# KiCad board FrontEnd_5G.kicad_pcb (continued)
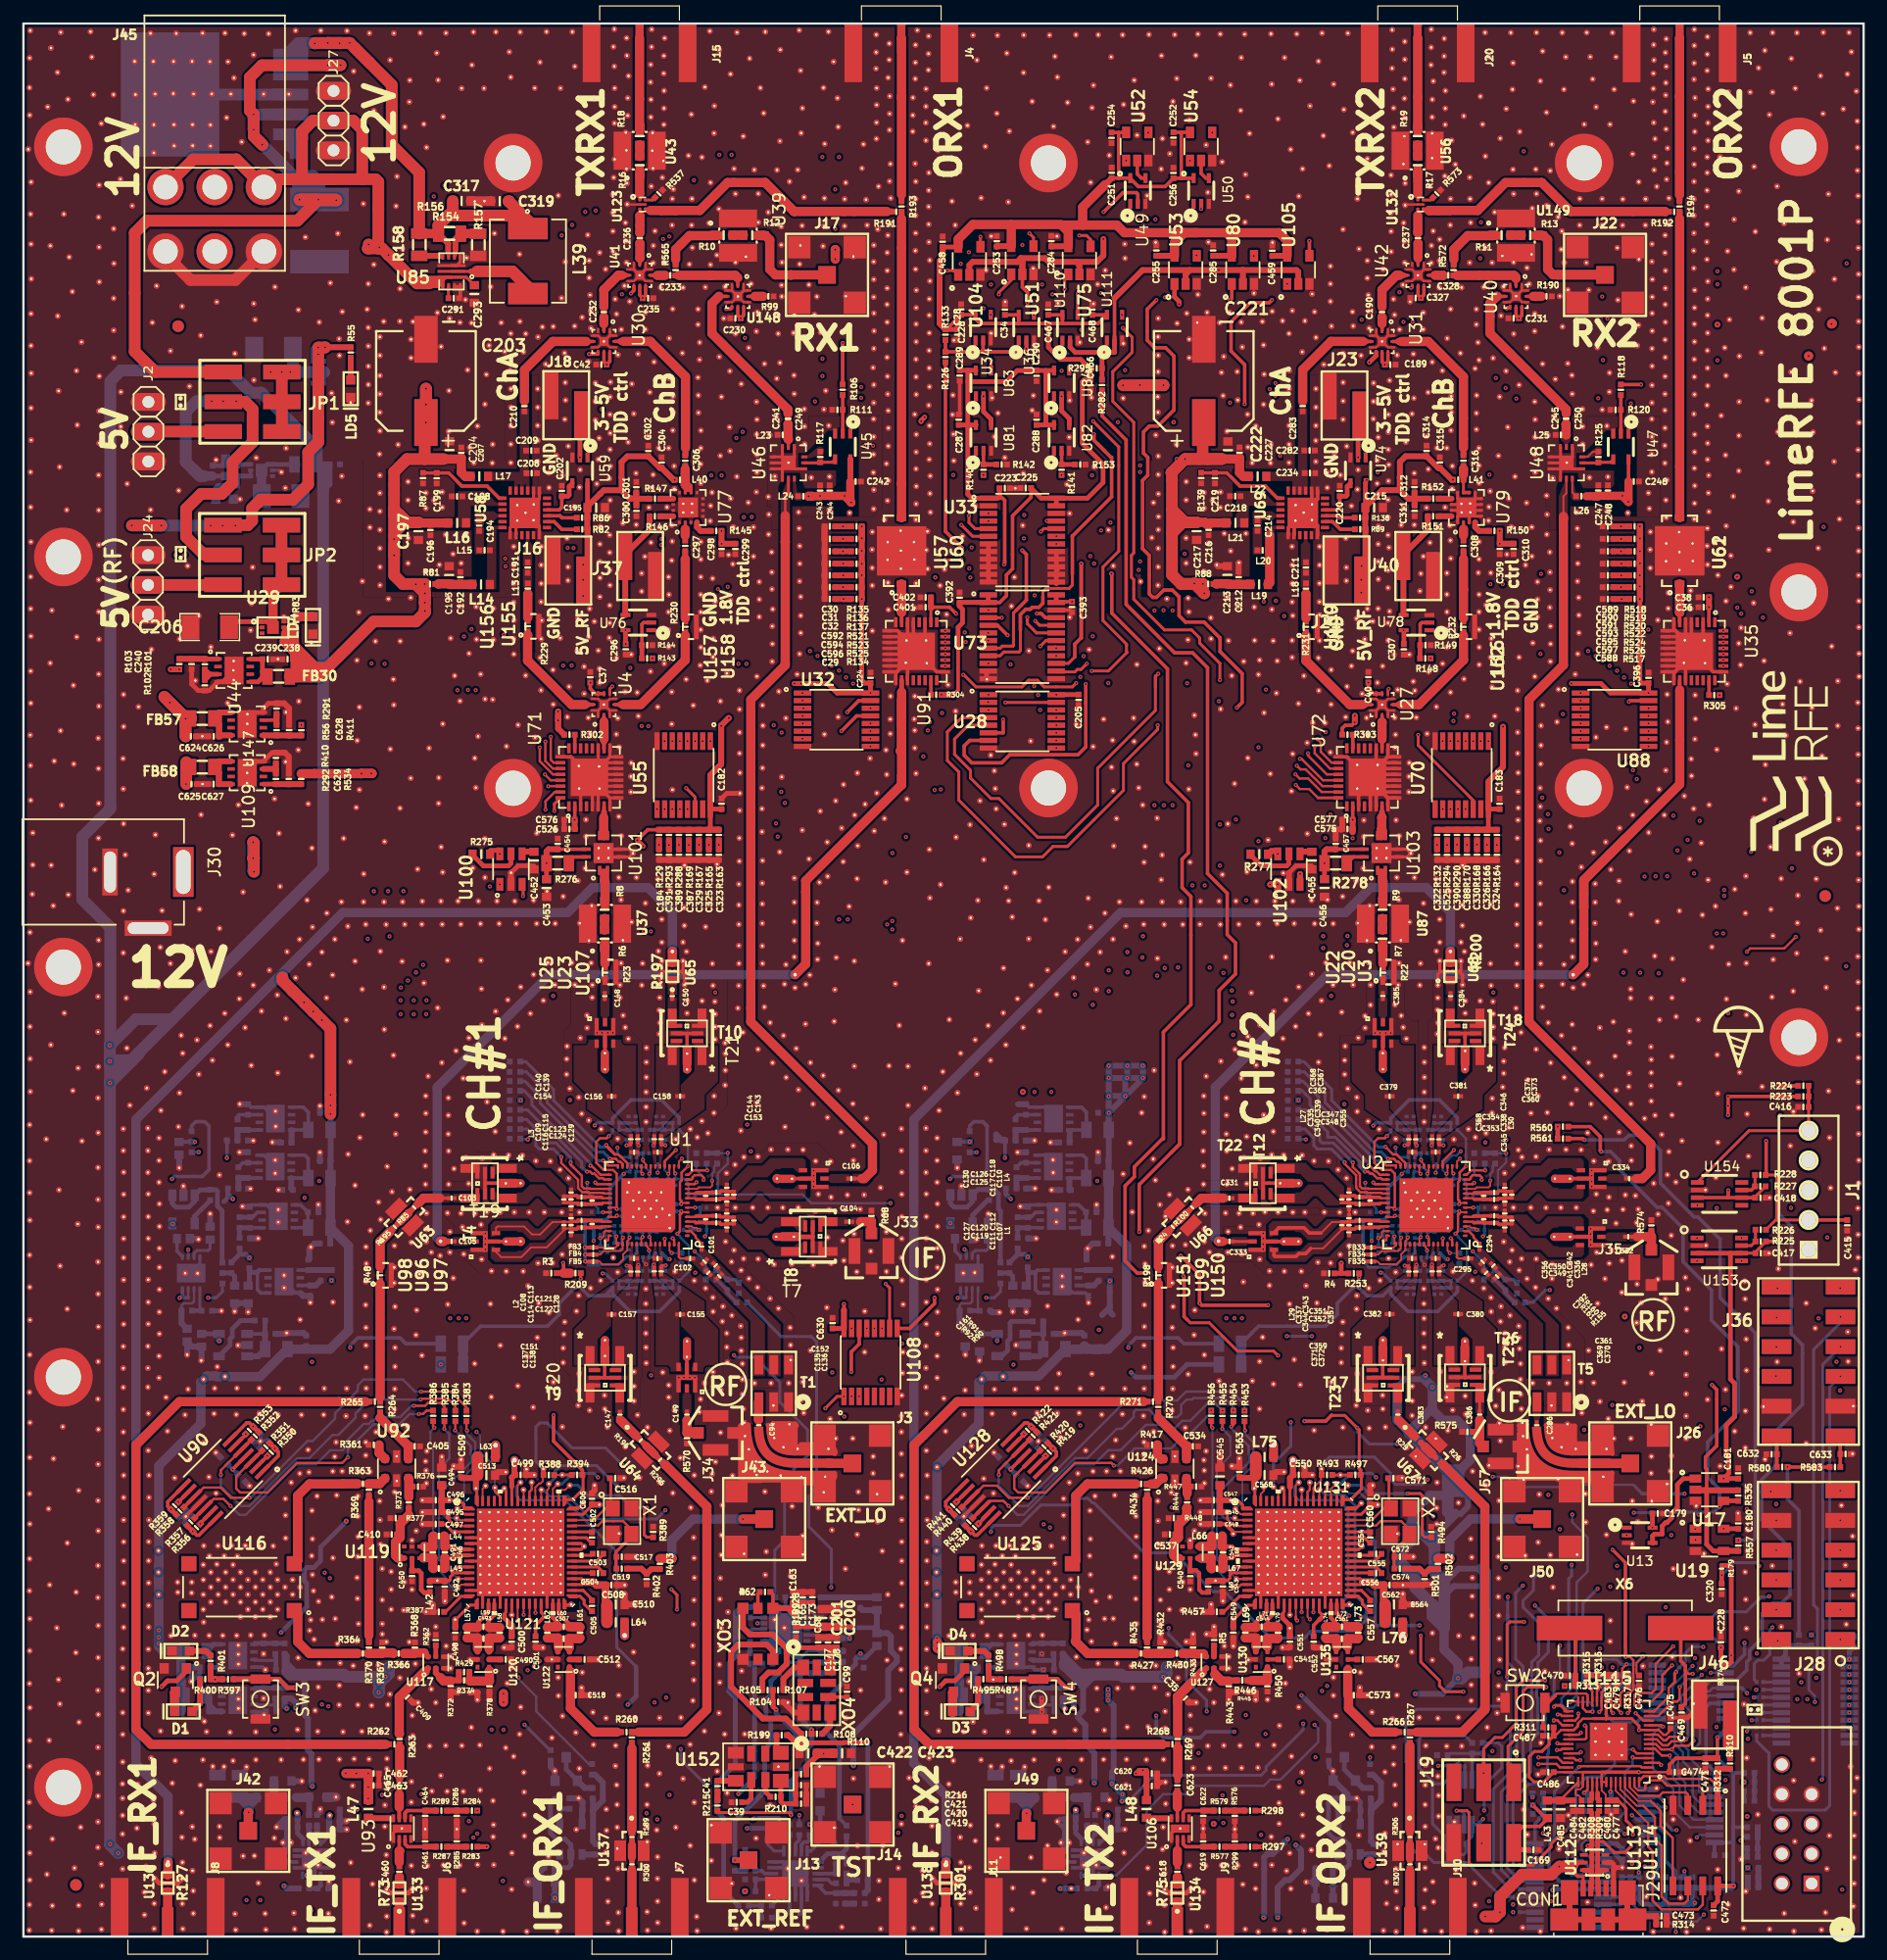
[diagram p0: board, top side]
## Routing (per net, layer and track width the routed paths; a pad name or vN(x,y) marks a point on that pad's centre or on a via; arc(x,y) is an arc through that point) (continued)
  F.FR4 w0.5: 92.58,82.36 95.59,85.37 v2(110.99,85.37) ; 92.58,82.36 v2(92.68,82.46) ; 92.58,82.36 92.58,80.79 v2(92.68,80.69) v2(94.28,82.29) ; 87.81,70.88 88.53,70.88 90.93,73.28 v2(92.68,73.28) ; 87.81,70.88 87.81,70.9 87.79,70.9 87.77,70.88 v1(87.77,72.08) 81.7,72.08 81.68,72.1 ; 87.81,70.88 86.62,70.88 ; 61.17,70.36 61.18,70.35 61.24,70.35 ; 61.24,70.35 68.03,70.35 68.54,70.86 69.72,70.86 70.98,72.12 75.68,72.12 76.33,71.47 78.75,71.47 79.34,70.88 85.1,70.88 ; 61.24,70.35 60.52,70.35 59.86,71.01 56.2,71.01 55.36,70.17 49.01,70.17 48.18,71 ; 48.18,71 48.25,70.93 ; 48.18,71 47.54,71 46.91,70.37 37.83,70.37 37.47,70.73 35.23,70.73 35.02,70.94 27.82,70.94 ; v2(26.22,70.93) 26.23,70.94 27.28,70.94 ; v2(26.22,70.93) 26.21,70.94 26.21,71.84 ; v2(26.22,70.93) 26.46,71.17 26.89,71.17 ; v2(26.22,70.93) 26.22,70.27 ; 46.06,72.64 45.54,72.64 45.16,72.26 37.66,72.26 37.3,72.62 32.66,72.62 31.88,71.84 26.21,71.84 ; 58.78,72.58 56.25,72.58 55.11,71.44 49.11,71.44 47.58,72.97 ; 58.78,72.58 58.68,72.58 ; 58.78,72.58 59.08,72.58 59.63,72.03 64.73,72.03 65.27,71.49 66.69,71.49 67.61,72.41 68.45,72.41 69.58,73.54 77.27,73.54 77.99,72.82 80.42,72.82 81.14,72.1 81.68,72.1 ; 81.68,72.1 88.14,72.1 90.36,74.32 v2(92.68,74.32) v2(94.26,74.32) ; 26.21,71.84 v2(26.22,71.84) 26.23,71.83 ; 92.67,73.29 v2(92.68,73.28) ; v2(92.68,73.28) v2(94.24,73.28) v2(95.6,73.28) 95.59,73.29 ; 26.22,70.27 v2(26.22,70.2) 26.96,70.94 27.82,70.94 ; 26.22,70.27 26.89,70.94 ; 26.89,70.94 27.28,70.94 ; 26.89,70.94 26.89,71.17 ; 27.28,70.94 27.82,70.94 ; 26.89,71.17 26.23,71.83 ; v2(110.99,85.37) 110.99,84.37 110.97,84.35 110.1,84.35 ; v2(110.99,85.37) 113.04,85.37 ; 110.1,84.35 96.34,84.35 v2(94.28,82.29) ; 110.1,84.35 111.41,84.35 ; v2(94.28,82.29) 94.28,82.7 94.15,82.83 94.15,83.9 v2(94.27,84.02) ; v2(95.55,83.56) 95.56,83.57 95.56,85.17 95.6,85.21 v2(95.6,85.37) ; v2(92.68,71.71) 92.71,71.74 v2(94.09,71.74) ; 113.04,85.37 v2(113.06,85.39) ; 113.04,85.37 113.04,85.42 113.04,84.63 v2(113.02,84.61) 112.76,84.35 111.41,84.35 ; 112.6,95.71 112.58,95.73 109.88,95.73 ; 113.52,93.8 113.47,93.75 v1(111.17,93.75) 113.48,93.75 v1(113.5,93.73) ; 111.41,84.35 113.51,84.35 113.68,84.18 118.59,84.18 120.11,85.7 121.87,85.7 121.92,85.65 138.09,85.65 ; 109.88,95.73 109.5,96.11 108.52,96.11 108.11,96.52 105.23,96.52 105.18,96.57 97.08,96.57 ; 109.88,95.73 111.58,95.73 v1(111.61,95.76) ; 97.08,96.57 97.02,96.57 ; 97.08,96.57 97.08,96.56 ; 97.08,96.57 96.56,96.57 ; 96.53,96.58 96.54,96.57 96.56,96.57 ; 96.56,96.57 96.56,96.6 ; 96.56,96.6 96.56,96.58 ; 96.56,96.6 96.61,96.55 v1(98.13,96.55) ; 26.23,71.83 27.12,70.94 27.82,70.94 ; 85.1,70.88 85.34,71.12 v1(85.34,72.08) ; 85.1,70.88 86.62,70.88 ; 86.62,70.88 86.34,71.16 v1(86.34,72.08) ; 90.75,113.17 90.01,113.92 ; v2(94.26,74.32) v2(95.59,74.32) ; v2(94.26,74.32) 94.24,74.3 ; v1(145.14,85.61) 138.13,85.61 v1(144.59,85.61)
  F.FR4 w0.79: 42.49,20.74 44.63,22.88 46.4,22.88 47.11,23.59 47.36,23.59 48.26,24.49 50.6,24.49 51.57,23.52 54.48,23.52 55.31,22.69 55.31,21.89 55.61,21.59 ; 42.49,20.74 43.09,21.34 45.86,21.34 ; 42.49,20.74 42.48,20.73 v2(41,20.73) v2(41,20) ; 77.76,21.94 78.04,22.22 ; 77.76,21.94 78.04,22.22 ; 77.76,21.94 69.66,21.94 ; 78.04,22.22 v2(78.04,24.59) v2(78.04,25.09) 78.04,25.46 v2(78.01,25.49) 74.34,25.49 ; 55.61,21.59 56.27,20.93 58.35,20.93 58.49,20.79 60.11,20.79 60.81,21.49 69.21,21.49 69.66,21.94 ; 55.61,21.59 49.06,21.59 ; 69.66,21.94 70.06,21.94 ; 69.66,21.94 70.79,23.07 ; 19.28,16.54 19.26,16.54 18.71,17.09 18.71,17.74 18.26,18.19 17.86,18.19 15.56,20.49 13.22,20.49 13.22,22.77 11.56,24.43 v2(11.56,25.02) v2(11.56,25.54) v2(11.56,26.14) ; 40.18,16.09 39.45,15.36 38.14,15.36 ; 63.95,70.35 63.95,71.95 64.03,72.03 ; 104.76,84.35 104.76,85.33 104.8,85.37 ; 125.34,85.65 125.34,87.01 125.4,87.07 ; 135.83,85.65 135.83,87.37 135.75,87.45 ; 51.36,70.17 51.36,71.38 51.3,71.44 ; 37.55,70.65 37.55,72.15 37.66,72.26 ; 81.68,72.1 81.6,72.02 ; 90.75,113.17 v1(96.58,113.17) v1(98.13,113.17)
  F.FR4 w0.8: 74.34,25.49 71.94,23.09 70.82,23.09 70.79,23.07
  F.FR4 w1: 95.59,73.29 v2(95.59,74.32) ; 94.24,74.3 v2(94.24,73.28) ; 40.18,16.09 40.18,17.64 v2(41,17.64) ; 81.6,72.02 81.6,70.88 ; 72.81,72.12 72.81,73.15 72.42,73.54 ; 40.15,16.06 39.45,15.36 38.14,15.36 37.7,14.92 32.67,14.92 31.23,16.36 19.46,16.36 19.28,16.54 ; 92.67,74.32 92.67,73.29
  B.FR4 w0.1: v1(111.61,95.76) 111.58,95.73 111.55,95.73
  B.FR4 w0.25: v1(113.5,95.31) 113.51,95.31 113.51,95.3 ; 111,85.44 110.99,85.43 v2(110.99,85.37) ; 92.68,70.31 v2(92.69,70.3) ; 96.58,96.56 v1(96.58,96.55)
  B.FR4 w0.4: 144.76,113.45 145.84,112.37 145.84,107.76 146.41,107.19 146.41,106.27 145.23,105.09 v1(145.23,89.32) v1(145.23,88.82) 145.23,87.15 ; 145.23,87.15 145.23,87.04 ; 145.23,87.15 145.23,86.4 ; v1(145.14,85.61) 145.23,85.7 145.23,86.4 ; 145.23,86.4 145.23,86.25 v1(144.59,85.61) ; 92.65,71.68 92.71,71.74
  B.FR4 w0.5: 113.5,92.37 111.94,90.81 111.94,92.98 ; 113.5,92.37 113.09,91.96 113.09,89.51 113.35,89.25 113.35,88.03 113.04,87.72 113.04,84.66 112.74,84.36 v2(110.99,84.36) v2(110.99,85.37) 110.99,86.88 112.02,87.91 112.02,92.9 111.94,92.98 ; 113.5,92.37 v1(113.5,93.73) v1(113.5,95.31) ; 92.68,70.33 92.68,70.31 ; 92.68,70.33 v2(92.68,80.69) v2(92.68,82.46) 92.68,84.12 92.78,84.22 91.99,85.01 91.98,85.01 91.98,85.51 94.46,87.99 94.46,89.17 94.93,89.64 94.93,93.47 95.3,93.84 95.3,94.15 ; 92.68,70.33 v2(94.09,71.74) 95.6,73.25 v2(95.6,85.37) 97.84,85.37 98.09,85.62 98.09,92.79 99.42,94.12 99.42,95.26 v1(98.13,96.55) ; 111.94,92.98 v1(111.17,93.75) 111.15,93.77 111.15,95.33 111.55,95.73 ; v1(143.93,113.45) 143.93,113.45 ; v1(143.93,113.45) 144.76,113.45 ; v1(143.93,113.45) v1(143.93,114.3) ; 97.38,96.52 97.38,95.86 98.18,95.06 98.18,94.26 96.43,92.51 96.43,88.35 94.87,86.79 94.87,85.67 94.27,85.07 v2(94.27,84.02) 94.27,73.3 92.65,71.68 v2(92.68,71.71) ; 97.38,96.52 v1(97.38,96.55) 97.38,96.52 ; 95.3,94.15 95.3,95.17 96.58,96.45 96.58,96.56 v1(96.58,96.55) ; 95.3,94.15 95.3,94.01 ; v2(94.26,74.32) 93.71,74.32 92.67,73.28 ; v2(94.26,74.32) v2(92.68,74.32) ; v2(94.26,74.32) v2(95.59,74.32) 95.28,74.32 v2(94.24,73.28) ; 85.33,72.09 v1(85.34,72.08) v1(86.34,72.08) v1(87.77,72.08)
  B.FR4 w0.79: v2(39.99,17.66) 40.01,17.64 v2(41,17.64) v2(41,20) v2(41,20.73) ; 96.56,96.58 96.53,96.57 96.55,96.55 v1(96.58,96.55) ; v1(96.58,96.55) v1(97.38,96.55) ; v1(96.58,96.55) 96.58,101.72 95.84,102.46 95.84,107.84 96,108 96,112.59 v1(96.58,113.17) 96.6,113.19 v1(97.35,113.19) 98.13,113.19 ; v1(96.58,96.55) v1(97.38,96.55) ; v1(97.38,96.55) v1(98.13,96.55) 98.13,113.19 ; 98.13,113.19 v1(98.13,113.17) ; 92.71,71.74 v2(94.09,71.74) ; 95.6,73.25 94.27,73.25 v2(94.24,73.28) 92.67,73.28 v2(92.68,73.28) ; 86.95,60.85 87.38,60.42 87.38,57.14 86.56,56.32 86.56,53.47 86.78,53.25 86.78,51.06 88.29,49.55 86.53,47.79 82.05,47.79 81.58,47.32 81.58,44.01 78.01,40.44 78.01,38.81 78.02,38.8 78.02,35.46 78.61,34.87 78.61,31.73 77.97,31.09 77.97,29.21 77.99,29.19 77.99,25.51 v2(78.01,25.49) ; 86.95,60.85 86.94,60.86 ; 86.95,60.85 86.95,62.31 87.5,62.86 89.12,62.86 89.12,69.78 87.77,71.13 v1(87.77,72.08) 87.77,72.1
  B.FR4 w1: v2(26.22,70.93) v2(26.22,71.84) 26.22,70.76 ; v2(26.22,70.93) 26.22,70.76 ; v2(26.22,70.93) v2(26.22,70.2) 26.22,70.76 ; 25.48,78.22 v1(25.48,78.22) v1(24.75,78.95) ; v1(24.75,78.95) 24.75,79.03 ; v1(24.75,78.95) 23.98,79.72 v1(23.96,79.72) 22.19,81.49 22.19,82.83 20.59,84.43 20.59,86.69 19.44,87.84 17.94,87.84 17.94,88.25 16.06,90.13 16.06,93.4 15.61,93.4 13.89,95.12 v2(13.89,98.35) 13.89,100.23 12.33,101.79 12.33,105.31 ; 13.95,103.94 v2(13.85,103.94) 12.33,105.46 12.33,105.31 ; 12.33,105.31 12.5,105.31 v2(12.51,105.32) 7.84,109.99 7.84,119 v2(9.26,120.42) v2(10.52,120.42) v2(11.77,120.42) ; v2(15.99,120.41) v2(17,120.41) v2(18.09,120.41)
  B2.RO w0.2: 88.97,50.12 FB56.1 86.69,47.84 ; 86.69,47.84 83.7,47.84 83.65,47.79 ; 86.69,47.84 83.34,47.84 83.32,47.86 82.12,47.86 81.82,47.56
  B2.RO w0.25: 77.97,31.09 77.97,32.93
  B2.RO w0.3: 92.64,60.49 FB53.1 ; FB21.1 23.88,50.13 C63.1 ; v2(25.77,135.63) 25.75,135.61 v2(25.18,135.61) ; v2(25.18,135.61) v2(25.18,135.03) U14.5 U14.4 24.68,135.53 24.76,135.61 v2(25.18,135.61)
  B2.RO w0.4: FB17.1 79.9,24.07 C185.1 ; 92.66,66.18 C448.1 ; 79.9,20.87 FB23.1 ; 79.9,19.17 79.9,20.27
  B2.RO w0.5: C447.1 92.64,60.49 ; FB54.1 92.66,66.18 ; 92.67,66.42 FB55.1 92.67,68.84 C449.1 ; 80.15,24.42 FB17.1 78.38,24.37 77.99,24.76 77.99,29.19 ; FB19.1 26.21,64.75 C52.1 26.23,66.21 FB18.1 26.23,68.84 C51.1 26.22,70.31 v2(26.22,70.93) v2(26.22,71.84) ; FB20.1 26.2,60.49 C53.1 ; 92.67,71.79 92.67,71.7 v2(92.68,71.71) 92.71,71.74 v2(94.09,71.74) ; 92.67,71.79 C449.1 ; 92.67,71.79 92.67,73.27 v2(92.68,73.28) ; v2(92.68,73.28) 92.68,74.27 ; v2(92.68,73.28) v2(94.24,73.28) ; v2(94.09,71.74) 94.09,71.72 C449.1 ; v2(94.09,71.74) 94.09,73.13 94.31,73.35 ; v2(94.09,71.74) 95.6,73.25 v2(95.6,73.28) ; v2(95.6,73.28) 95.6,74.31 v2(95.59,74.32) v2(94.26,74.32) ; v2(95.6,73.28) v2(94.24,73.28) ; 92.68,74.27 v2(92.68,74.32) ; 92.68,74.27 92.73,74.32 v2(94.26,74.32) ; v2(94.26,74.32) 94.26,73.3 94.31,73.35 ; 94.31,73.35 v2(94.24,73.28) ; C448.1 92.67,66.21
  B2.RO w0.79: 89.69,50.13 90.32,50.13 C609.1 90.84,50.15 91.95,50.15 ; 89.69,50.13 FB56.1 86.69,47.84 82.12,47.84 81.59,47.31 81.59,43.77 78,40.18 78,24.75 78.33,24.42 80.15,24.42 ; 89.69,50.13 91.38,50.13 ; 91.95,50.15 91.93,50.13 91.38,50.13 ; 91.95,50.15 92.23,50.15 ; FB53.1 92.65,64.73 FB54.1 ; FB53.1 94.2,58.95 94.2,51.7 92.65,50.15 ; FB53.1 92.67,60.48 ; 91.38,50.13 92.63,50.13 92.65,50.15 ; 92.65,50.15 92.65,50.24 92.65,50.15 ; 79.9,22.72 79.9,21.82 ; 79.9,22.72 C185.1 ; 79.9,22.72 79.9,24.07 FB17.1 ; 79.9,21.82 C186.1 79.9,20.27 FB23.1 79.9,20.87 79.9,21.82 ; 11.55,30.27 11.55,31.67 11.57,31.69 11.57,32.89 11.53,32.93 11.56,32.96 11.56,40.18 15.15,43.77 15.15,47.33 15.66,47.84 16.46,47.84 16.51,47.79 20.21,47.79 22.55,50.13 26.18,50.13 27.76,51.71 27.76,58.94 26.21,60.49 FB20.1 26.21,64.73 FB19.1 ; 11.55,30.27 11.56,30.27 11.56,31.06 11.53,31.09 ; 11.55,30.27 11.55,29.19 11.56,29.18 v2(11.56,25.02) 11.56,24.75 11.89,24.42 13.71,24.42 FB24.1 13.46,24.07 C43.1 13.46,21.76 ; 13.46,21.76 13.46,20.87 FB46.1 13.46,20.27 C44.1 13.46,21.76
  B2.RO w1: v2(9.26,120.42) v2(10.52,120.42) v2(11.77,120.42) 11.78,120.41 v2(15.99,120.41) v2(17,120.41) v2(18.09,120.41)
+5V_DCDC: length 98.9
  F.RO w1: 10.87,133.9 9.5,135.27 9.5,145.39 10.54,146.43 23.39,146.43 25.13,148.17 ; 10.87,133.9 10.91,133.87 ; 10.87,133.9 11.26,133.52 JP1.1 ; v2(27.08,159.71) 26,159.71 v2(25.99,159.7) 25.99,159.7 20.36,159.7 19.33,158.67 19.33,155.83 v2(19.66,155.5) ; v2(19.66,155.5) 19.66,155.51 ; v2(19.66,155.5) 19.66,154.22 ; v2(19.66,155.5) 19.66,154.22 ; v2(19.66,155.5) 19.67,155.49 v2(19.67,154.21) ; v2(19.66,155.5) 19.66,154.22 ; 25.13,148.17 v2(25.19,148.23) v2(23.58,148.23) ; 25.13,148.17 26.71,148.17 v2(26.72,148.18) 26.67,148.23 ; 26.67,148.23 v2(23.58,148.23) ; 26.67,148.23 v2(23.58,148.23) ; v2(19.67,154.21) 19.66,154.22 ; v2(19.67,154.21) 19.67,153.65 ; v2(19.67,154.21) 19.67,153.65 ; v2(19.67,154.21) 19.66,154.22 ; v2(19.67,154.21) 19.66,154.22 ; v2(19.67,154.21) 19.67,153.65 ; 19.67,153.65 v2(20.39,152.93) ; 19.67,153.65 v2(20.39,152.93) ; 19.67,153.65 v2(20.39,152.93)
  B2.RO w1: 25.99,159.7 v2(25.99,159.7) 27.08,159.7 27.08,159.7 v2(27.08,159.71) ; v2(19.66,155.5) 19.52,155.5 ; v2(19.66,155.5) 19.66,154.21 ; v2(19.66,155.5) 19.66,155.54 19.66,154.22 ; v2(19.66,155.5) U86.4 ; v2(25.19,148.23) 25.19,148.23 C318.1 ; C318.1 23.44,150.07 R162.2 ; C318.1 26.67,148.23 v2(26.72,148.18) ; C318.1 23.58,148.23 v2(23.58,148.23) ; C318.1 23.44,148.19 R162.2 ; C318.1 25.28,148.82 23.85,150.25 R162.2 ; C318.1 25.28,149.69 24.72,150.25 R162.2 ; R162.2 23.08,150.25 20.24,153.09 ; 20.24,153.09 19.66,153.67 19.66,154.21 ; 20.24,153.09 20.24,153.08 v2(20.39,152.93) ; v2(19.67,154.21) 19.66,154.21 ; v2(19.67,154.21) 19.66,154.21 ; v2(19.67,154.21) 19.66,154.21 ; v2(19.67,154.21) 19.66,154.22 ; v2(19.67,154.21) 19.67,153.65 ; v2(19.67,154.21) 19.66,154.22 ; v2(19.67,154.21) 19.67,153.65 ; v2(20.39,152.93) 19.67,153.65 ; v2(20.39,152.93) 19.67,153.65
+5V_PWR: length 14.6
  F.RO w1: v2(22.78,133.52) v2(22.07,133.52) ; v2(22.07,133.52) 21.12,133.52 v2(21.11,133.51) ; v2(22.07,133.52) JP1.4 JP1.6
  B2.RO w0.3: U14.1 25.68,133 U14.1
  B2.RO w1: 22.07,133.52 v2(22.07,133.52) 22.06,133.52 ; 25.68,133.5 25.67,133.52 v2(22.78,133.52) ; v2(22.78,133.52) 22.06,133.52 ; v2(22.78,133.52) 23.01,133.75 C57.1 ; 22.06,133.52 21.12,133.52 v2(21.11,133.51)
+5V_RF: length 3051.2
  F.RO w0.1: 101.12,126.09 101.12,126.08 101.15,126.08 101.17,126.1 C222.1
  F.RO w0.3: 40.68,90.14 40.68,90.1 ; v2(89.67,14.2) 89.67,14.19 ; v2(88.37,14.2) 88.37,14.2 ; 22.99,110.56 22.8,110.75 22.8,110.84 22.25,111.38 22.25,111.5 ; 22.25,111.5 U29.5 ; 22.25,111.5 23.1,111.5 ; 23.1,111.5 23.28,111.32 ; 23.1,111.5 22.83,111.22 U29.4 U29.5 ; 23.1,111.5 R83.1 ; 23.28,110.03 22.25,111.07 U29.5 ; U29.5 23.26,111.72 ; 31.65,123.87 31.67,123.87
  F.RO w0.4: U74.5 114.6,124.02 114.6,121.96 C215.1 ; 22.24,111.22 U29.4 22.25,110.53 ; C238.1 23.01,107.8 FB30.1 ; 95.58,14.19 95.26,14.19 v2(94.99,13.92) C620.2 ; 95.58,14.19 95.88,14.19 95.9,14.17 C620.2 ; 95.58,14.19 v2(95.59,14.19) 95.86,13.92 C620.2 ; v1(69.32,143.97) 69.34,143.99 69.35,143.99 ; v1(69.33,143.16) 69.33,143.16 ; U59.5 48.17,122.05 ; 101.17,129.68 101.05,129.55
  F.RO w0.5: 52.36,122.71 52.34,122.69 C300.1 ; 52.36,122.71 52.33,122.74 ; 52.36,122.71 R147.2 ; 52.33,122.74 C301.2 ; 52.33,122.74 51.87,122.74 51.82,122.69 51.81,122.69 51.07,123.43 ; 51.07,123.43 51.07,125.83 51.57,126.33 C302.2 54.35,125.34 C304.2 55.51,124.32 v1(55.61,124.32) ; 51.07,123.43 49.55,123.43 49.23,123.11 ; C311.1 118.79,122.13 118.79,122.72 ; 117.52,123.44 118.27,122.7 118.29,122.72 118.79,122.72 ; 117.52,123.44 117.52,124.53 117.54,124.53 117.54,125.84 118.03,126.34 C314.2 120.8,125.35 C315.2 121.97,124.33 v1(122.07,124.33) ; 117.52,123.44 116.01,123.44 114.61,122.03 114.61,122.05 ; 114.6,120.12 114.62,120.09 ; 114.62,116.5 114.45,116.34 ; 114.62,116.17 114.24,115.78 ; 114.24,115.78 114.24,114.08 ; 114.24,115.78 114.24,115.23 ; 95.89,13.85 95.89,12.96 95.83,12.9 95.9,12.82 95.9,11.62 ; 29.46,12.96 29.46,13.86 29.4,13.92 29.47,13.99 ; 29.46,12.84 29.4,12.9 29.46,12.84 ; 29.46,12.84 L47.1 ; 54.36,125.35 54.5,125.35 55.52,124.33 ; 48.17,122.05 48.15,122.03 ; 48.15,122.03 49.23,123.11 ; 48.15,122.03 R86.2 48.15,120.12 R82.2 48.17,116.15 v1(47.8,115.78) ; v1(47.8,115.78) 47.8,115.2 ; v1(47.8,115.78) 47.8,114.08 ; 49.23,123.11 49.24,123.11 49.29,123.16 ; C204.1 37.32,126.11 C207.1 ; C197.1 34.55,120.69 C196.1 ; v1(114.23,115.78) 114.6,116.15 R89.2 114.58,120.12 R138.2 114.59,121.1 C215.1 ; C222.1 101.11,126.1 100.75,126.47 100.75,129.17 C221.1 ; 23.28,110.03 R83.1 23.28,111.32 22.37,110.41 22.25,110.41 ; v1(106.45,89.78) 106.47,89.8 v1(107.11,89.8) ; 98.08,124.28 98.03,124.33 98.03,124.93 ; v2(136.74,52.91) 136.74,52.92 ; 22.25,110.41 U29.4 ; 22.25,110.41 22.25,110.53 ; C312.2 118.79,122.72 ; 118.79,122.72 R152.2 ; C238.1 23.01,109.76 ; C299.2 v1(59.61,118.87) v1(59.61,119.96) ; C310.2 v1(126.07,118.87) 126.06,118.88 v1(126.06,119.97)
  F.RO w0.7: 31.65,119.58 32.76,120.69
  F.RO w0.79: C197.1 33.78,120.64 L16.1 ; C217.1 100.89,120.7 101.1,120.49 C216.1 101.36,120.65 L21.1 ; v2(29.45,11.78) 29.46,11.77 L47.1 ; L47.1 29.45,11.65 v2(29.45,13.92) ; L47.1 29.46,12.84 ; 29.45,13.51 29.46,13.51 29.46,13.86 v2(29.45,13.92) ; v2(29.45,13.92) v2(28.43,13.92) v2(27.53,13.92) ; 100.49,126.21 100.79,126.5 C221.1 100.6,129.02 100.6,126.31 100.49,126.21 ; 100.49,126.21 100.38,126.09 ; 23.01,109.76 23.28,110.03 23.28,109.94 ; 23.01,109.76 22.25,110.53 ; 23.01,109.76 25.21,107.56 ; 33.9,115.43 33.47,115.43 v1(33.5,115.4) v1(34.28,114.63) 34.27,114.63 v1(34.27,115.43) ; v1(114.24,114.69) 114.23,114.69 v1(114.23,115.78) 114.23,116.94 v1(114.27,116.97) ; v1(47.8,114.41) 47.8,114.41 v1(47.8,115.78) 47.8,117.08 v1(47.8,117.08) ; v1(69.32,143.97) 69.33,143.97 v1(69.33,143.16) ; v1(31.65,119.26) 31.65,119.58 ; v2(29.45,12.76) C463.2 ; 25.21,107.56 25.21,107.53 ; 25.21,107.56 23.28,109.49 23.28,109.94 ; 23.28,109.94 23.28,109.1 ; 24.52,107.53 23.28,108.77 23.28,109.1 ; 23.28,109.1 23.28,107.53 23.33,107.58 23.33,107.65 23.33,107.53 ; 26.06,108.38 24.94,108.38 23.08,110.24 ; L17.1 37.74,124.61 37.39,124.96 C207.1 37.3,126.09 35.88,126.09 ; 102.33,126.09 103.75,126.09 C227.1 103.85,124.95 104.17,124.62 L22.1
  F.RO w1: 31.65,121.36 32.32,120.69 C197.1 32.76,120.69 ; 31.65,121.36 31.65,118.71 ; 31.65,121.36 32.09,121.36 32.76,120.69 ; 31.65,121.36 31.65,121.89 ; 31.65,118.71 v1(31.65,117.88) ; 31.65,118.71 v1(31.65,117.88) ; 32.76,120.69 31.65,121.8 31.65,121.87 31.63,121.89 31.65,121.89 ; 98.08,121.8 99.17,120.7 C217.1 98.99,120.7 98.08,119.78 ; 98.08,121.8 98.08,119.78 ; 98.08,121.8 98.08,124.98 98.03,124.93 v1(99.2,126.09) 102.33,126.09 99.2,126.09 ; 98.08,119.78 98.08,116.22 98.86,115.44 ; 98.86,115.44 100.02,115.44 v1(99.99,115.47) v1(100.83,114.63) 100.72,114.74 v1(100.72,115.44) 98.86,115.44 ; 31.65,121.89 31.65,124.99 32.75,126.09 34.27,126.09 ; 34.27,126.09 34.27,129.11 v1(34.37,129.21) ; 34.27,126.09 35.88,126.09 ; 34.28,113 33.51,112.23 29.91,112.23 25.21,107.53 FB30.1 ; 34.28,113 v1(34.28,113.84) ; 34.28,113 34.28,113.21 34.28,113.1 v1(34.28,113.13) ; v1(34.28,113.84) 34.28,113.84 v1(34.28,113.84) ; v1(34.28,113.84) 34.28,114.54 ; v1(34.28,113.84) v1(34.28,114.63) ; 34.28,114.54 v1(34.28,114.63) ; 34.28,114.54 v1(34.28,114.63) ; v1(34.28,114.63) v1(33.5,115.4) ; v1(34.28,114.63) 34.28,115.43 v1(34.27,115.43) 32.4,115.43 31.65,116.18 v1(31.65,117.88) ; v1(34.37,130.75) v1(34.37,129.21) ; v1(34.37,129.21) v1(34.37,132.1) ; v1(34.37,129.21) v1(34.37,132.1) ; v1(34.37,132.1) 34.38,132.1 ; v1(95.34,132.41) 97.34,132.41 v1(97.36,132.39) v1(93.9,132.39)
  F.FR4 w0.25: 126.56,152.36 126.57,152.37 126.71,152.37 126.71,152.36 ; v1(114.27,116.97) 114.23,116.94 v1(114.23,115.78) 114.23,114.69 v1(114.24,114.69) ; 32.03,12.09 32.23,12.29
  F.FR4 w0.4: 48.98,152.09 48.52,152.09 ; 51.62,84.11 52.97,84.11 54.49,85.63 57.51,85.63 58.1,85.04 59.1,85.04 ; 68.83,143.55 69.25,143.97 69.37,143.97 v1(69.32,143.97) ; 63.74,114.05 63.74,114.17 63.87,114.17 ; 106.08,13.05 106.14,13.11 ; 47.77,114.53 47.82,114.53
  F.FR4 w0.5: 100.9,89.71 v1(100.87,89.71) 100.94,89.79 ; 56.38,89.17 56.29,89.17 54.87,87.75 54.8,87.82 54.83,87.79 ; 39.85,89.63 39.84,89.62 ; 107.1,89.79 v1(107.11,89.8) ; 50.57,87.5 50.51,87.5 ; 63.74,114.17 63.03,114.88 61.04,114.88 60.87,114.71 ; 63.74,114.05 63.05,113.36 ; 63.05,113.36 62.09,113.36 62.09,113.49 60.87,114.71 ; 63.05,113.36 62.22,113.36 ; 55.5,113.73 54.61,113.73 54.4,113.52 54,113.52 ; 55.5,113.73 57.94,113.73 ; 55.5,113.73 53.35,113.73 53.14,113.52 53.14,113.8 54.59,115.25 57.79,115.25 ; 58.51,114.26 57.98,113.73 57.94,113.73 ; 58.51,114.26 58.51,115.03 58.29,115.25 ; 58.51,114.26 58.96,114.71 59.95,114.71 ; 59.95,114.71 60.87,114.71 ; 59.95,114.71 59.3,114.71 58.76,115.25 58.29,115.25 ; 60.87,114.71 62.22,113.36 ; 62.22,113.36 61.88,113.02 58.94,113.02 58.23,113.73 57.94,113.73 ; 58.29,115.25 58.54,115 v1(59.31,115) ; 58.29,115.25 57.79,115.25 ; 47.82,114.53 48.48,115.19 49.35,115.19 50.05,114.49 50.33,114.49 51.3,113.52 50.67,112.89 49.7,112.89 48.36,114.22 47.46,114.22 ; v1(55.61,124.32) 55.99,124.7 59.63,124.7 v1(59.62,124.7) ; 57.79,115.25 60.08,115.25 v1(60.14,115.19) ; v1(125.19,124.76) 123.82,124.76 123.38,124.33 121.98,124.33 ; 121.98,124.33 v1(122.07,124.33) ; 121.98,124.33 119.52,124.33 119.38,124.18 118.44,124.18 117.78,124.84 ; 117.78,124.84 117.87,124.75 ; 117.78,124.84 117.66,124.96 115.57,124.96 ; 115.57,124.96 v1(115.64,124.96) 115.37,124.96 v1(114.71,124.3) ; 115.57,124.96 114.93,124.32 113.76,124.32 112.5,125.58 111.05,125.58 110.58,125.11 107.3,125.11 ; 104.45,125.11 103.19,126.37 99.36,126.37 ; 104.45,125.11 107.3,125.11 ; 104.45,125.11 107.3,125.11 ; 99.36,126.37 99.18,126.37 ; 99.36,126.37 99.1,126.11 97.97,126.11 97.41,125.55 v1(95.36,125.55) ; 106.45,132.06 106.77,132.06 107.49,131.34 110.95,131.34 112.02,130.27 113.33,130.27 114.86,131.8 115.72,131.8 116.04,132.12 117.3,132.12 119.47,134.29 119.47,135.77 119.19,136.05 117.29,136.05 116.36,135.12 115.05,135.12 114.33,135.84 112.2,135.84 111.37,135.01 110.39,135.01 109.88,134.5 107.73,134.5 107.02,133.79 107.02,132.62 106.45,132.06 ; 106.45,132.06 106.27,132.06 107.01,132.8 111.3,132.8 111.96,133.46 116.9,133.46 117.11,133.67 118.38,133.67 ; 52.62,145.51 53.57,146.46 ; 52.62,145.51 53.21,144.92 54.57,144.92 v1(54.62,144.87) ; 52.62,145.51 51.23,145.51 50.32,146.42 48.84,146.42 ; 53.57,146.46 53.58,146.46 ; 53.57,146.46 54.14,147.03 ; 54.14,147.03 57.17,147.03 ; 54.14,147.03 54.68,146.49 54.68,145.56 v1(55.15,145.09) ; 57.17,147.03 57.18,147.02 ; 57.17,147.03 57.3,147.16 58.73,147.16 60.79,145.1 63.01,145.1 ; 63.01,145.1 63.03,145.12 ; 63.01,145.1 64.92,147.01 68.79,147.01 ; 68.79,147.01 69.32,146.48 69.32,145.64 ; 68.79,147.01 69.67,147.01 ; 93.56,145.92 90.8,145.92 89.8,146.92 77.05,146.92 76.41,147.56 75.46,147.56 74.91,147.01 69.67,147.01 ; 93.56,145.92 94.05,145.43 94.45,145.43 ; 93.56,145.92 94.13,146.49 v1(95.26,146.49) ; 94.45,145.43 95.26,146.24 v1(95.26,146.49) ; 94.45,145.43 96.45,145.43 ; 54.64,149.08 53.98,148.42 53.36,148.42 52.93,148.85 51.43,148.85 50.49,147.91 49.77,147.91 49.39,147.53 ; 54.64,149.08 54.61,149.05 ; 54.64,149.08 54.83,149.27 54.83,149.37 55.55,150.09 56.97,150.09 58.36,148.7 59.41,148.7 60.13,147.98 62.95,147.98 63.57,148.6 65.5,148.6 66.42,149.52 68.98,149.52 69.55,148.95 71.38,148.95 73,150.57 76.36,150.57 77.11,149.82 84.83,149.82 86.56,148.09 92.26,148.09 93.39,146.96 94.92,146.96 ; 94.92,146.96 95.26,146.62 v1(95.26,146.49) ; 94.92,146.96 95.61,146.96 96.76,148.11 ; 96.76,148.11 95.93,147.28 v1(95.93,146.55) ; 96.76,148.11 97.98,148.11 ; 117.63,147.22 117.03,147.82 116.03,147.82 114.96,146.75 113.94,146.75 113.44,147.25 102.22,147.25 101.36,148.11 97.98,148.11 ; 117.63,147.22 117.64,147.22 ; 117.63,147.22 117.82,147.03 119.35,147.03 119.64,147.32 124.03,147.32 124.46,146.89 v1(124.46,146.3) ; v1(125.57,140.75) 125.57,141.17 126.14,141.74 129.64,141.74 130.06,141.32 v1(130.06,140.96) ; 96.45,145.43 95.93,145.95 v1(95.93,146.55) ; 96.45,145.43 98.77,145.43 ; v1(95.26,146.49) 95.32,146.55 v1(95.93,146.55) ; 97.98,148.11 96.65,146.78 v1(96.65,146.55) ; 98.77,145.43 97.65,146.55 v1(96.65,146.55) ; 98.77,145.43 106.71,145.43 107.04,145.76 111.11,145.76 112.12,144.75 113.65,144.75 113.76,144.86 117.08,144.86 117.59,145.37 119.13,145.37 120.17,146.41 120.47,146.41 122.65,144.23 123.39,144.23 v1(124.39,143.23) ; 116.32,151.59 116.3,151.57 ; 83.27,151.68 77.22,151.68 76.35,152.55 73.82,152.55 73.18,151.91 69.52,151.91 69.48,151.87 65.06,151.87 64.88,152.06 ; 64.88,152.06 64.87,152.06 ; 64.88,152.06 59.58,152.06 58.67,152.96 55.87,152.96 ; 55.87,152.96 55.8,152.96 55.85,152.96 ; 55.87,152.96 55.17,152.96 55.05,153.08 52.03,153.08 51.83,153.28 50.17,153.28 48.98,152.09 ; 132.92,92.59 133.98,91.52 134.49,91.52 134.99,92.02 135.75,92.02 137.31,90.46 138.5,90.46 v1(138.43,90.46) ; 135.07,94.74 136.25,93.56 137.52,93.56 138.78,92.3 138.78,91.08 v1(139.37,90.49) ; 69.67,147.01 69.32,146.66 69.32,145.64 ; 69.32,145.64 v1(69.32,145.74) ; 38.26,11.83 38.26,12.88 38.77,13.39 ; 38.26,11.83 37.75,11.32 37.8,11.37 ; 38.26,11.83 39.32,11.83 40.02,12.53 40.77,12.53 40.77,13.22 40.84,13.29 ; 32.23,12.29 32.07,12.13 ; 106.14,13.11 106.36,13.11 106.66,13.41 107.34,13.41 109.72,15.79 109.72,16.35 ; 108.67,17.09 106.14,14.56 106.14,13.82 105.64,13.32 105.64,13.05 ; 126.96,49.65 125.89,49.65 125.69,49.85 122.54,49.85 121.86,49.17 121.01,49.17 v2(119.71,47.87) ; 126.96,49.65 126.93,49.65 ; 126.96,49.65 127.16,49.65 127.27,49.54 129.15,49.54 131.09,51.48 131.09,52.54 131.29,52.74 136.57,52.74 v2(136.74,52.91) ; v2(137.99,50.25) 135.92,48.18 127.08,48.18 126.34,47.44 124.68,47.44 124.55,47.57 121.07,47.57 120.39,46.89 v2(120.31,46.89) ; 137.24,96.91 139.77,94.37 139.77,91.08 v1(140.36,90.49) ; 75.02,83 72.24,83 70.93,84.31 68.93,84.31 68.69,84.07 67.07,84.07 66.91,84.23 65.07,84.23 ; 76.81,81.77 75.6,80.56 73.59,80.56 72.03,82.12 68.84,82.12 67.35,80.63 66.66,80.63 66.37,80.34 65.64,80.34 65.32,80.66 64.49,80.66 63.96,81.19 63.96,82.12 ; 126.56,152.36 v1(128.11,152.36) ; 68.83,143.55 62.9,143.55 62.46,143.99 59.98,143.99 59.67,144.3 58.79,144.3 57.92,143.43 55.57,143.43 55.36,143.64 51.26,143.64 50.62,143 49.46,143 48.92,142.46 48.64,142.46 48.56,142.38 47.39,142.38 46.58,141.57 ; 33.07,115.4 v1(33.5,115.4) ; v1(96.65,146.55) v1(95.93,146.55) ; 59.67,150.65 58.27,150.65 57.93,150.99 56.73,150.99 55.42,152.3 54.48,152.3 53.83,151.65 51.37,151.65 50.61,150.89 49.72,150.89 49.39,151.22 ; 41.79,89.63 40.85,89.63 ; 41.76,14.21 41.83,14.21 ; v1(71.53,132.24) 71.53,131.39 ; v1(34.28,113.13) v1(34.28,113.84) ; 73.48,132.38 76.49,132.38 77.08,132.97 78.08,132.97 78.61,132.44 78.61,132.13 78.07,131.59 78.07,131.49 77.21,131.49 76.69,130.97 73.52,130.97 72.83,131.66 72.76,131.66 73.48,132.38
  F.FR4 w0.79: 50.1,15.44 54.22,15.44 54.66,15 59.73,15 60.51,15.78 65.11,15.78 68.47,12.42 76.41,12.42 78.1,14.11 79.9,14.11 81.37,12.64 81.91,12.64 ; 50.1,15.44 49.96,15.44 ; 50.1,15.44 49.41,15.44 49.3,15.33 42.95,15.33 42.22,14.6 ; 41.83,14.21 42.22,14.6 ; 42.22,14.6 42.15,14.6 40.95,13.39 38.77,13.39 ; 54.83,87.79 54,87.79 53.44,87.23 52.52,87.23 52.25,87.5 50.57,87.5 ; 50.51,87.5 49.11,88.9 47.39,88.9 46.31,89.98 42.14,89.98 41.79,89.63 39.85,89.63 ; 40.85,89.63 v1(40.68,89.8) ; v1(99.99,115.47) 100.02,115.44 v1(100.72,115.44) ; v1(99.99,115.47) 98.27,115.47 97.66,116.09 96.2,116.09 95.64,116.65 94.81,116.65 94.62,116.84 94.62,117.03 94.95,117.36 ; v1(99.99,115.47) v1(100.83,114.63) ; v1(100.83,114.63) 100.72,114.74 v1(100.72,115.44) ; v1(100.83,114.63) 100.89,114.63 101.69,115.44 ; 74.25,114.36 74.38,114.36 ; 74.25,114.36 78.83,114.36 79.62,115.14 84.95,115.14 85.52,115.71 88.25,115.71 88.82,115.14 93.3,115.14 95.36,117.2 v1(95.36,117.36) ; 74.25,114.36 73.57,114.36 72.52,113.31 67.14,113.31 66.93,113.52 65.62,113.52 64.97,114.17 63.87,114.17 ; v1(34.27,115.43) 34.25,115.4 v1(33.5,115.4) v1(34.28,114.63) ; v1(34.27,115.43) 34.27,114.63 v1(34.28,114.63) ; v1(34.27,115.43) 35.01,115.43 ; v1(34.28,114.63) 34.28,114.7 35.01,115.43 ; 47.77,114.53 46.69,113.45 46.23,113.45 45.01,114.67 37.74,114.67 36.97,115.43 35.01,115.43 ; 54,113.52 51.3,113.52 ; 112.5,114.68 113.13,114.68 v1(114.23,115.78) ; 112.5,114.68 106.88,114.68 ; 112.5,114.68 114.25,114.68 ; 101.69,115.44 103.75,115.44 104.51,114.68 105.72,114.68 ; 101.69,115.44 v1(100.72,115.44) ; 114.25,114.68 114.34,114.77 ; 114.25,114.68 114.25,115.77 v1(114.23,115.78) ; v1(114.23,115.78) 114.27,115.82 v1(114.27,116.97) ; 48.43,115.23 47.8,115.87 v1(47.8,117.08) 47.8,117.08 v1(47.8,115.78) 47.8,115.78 v1(47.8,114.41) 48.43,115.04 48.43,115.23 ; 48.43,115.23 48.48,115.19 ; 60.87,114.71 60.39,115.19 v1(60.14,115.19) 59.5,115.19 v1(59.31,115) ; 121.11,115.3 119.77,113.96 116.12,113.96 115.39,114.69 v1(114.24,114.69) ; 121.11,115.3 121.07,115.26 121.15,115.26 ; 121.11,115.3 121.26,115.45 123.64,115.45 123.67,115.42 v1(126.33,115.42) ; 94.95,117.36 v1(95.36,117.36) ; 94.95,117.36 v1(95.36,117.36) ; 38.77,13.39 38.76,13.38 ; 38.77,13.39 40.75,13.39 40.84,13.29 41.76,14.21 ; v2(29.93,89.21) 29.94,89.22 29.99,89.22 ; 32.01,118.24 33.53,118.24 33.84,117.93 35,117.93 35.93,118.86 ; 35.93,118.86 35.8,118.73 ; 35.93,118.86 37.64,118.86 37.82,118.68 40.03,118.68 41.17,119.82 45.13,119.82 46.32,121.01 48.15,121.01 48.95,121.81 48.95,122.54 49.75,123.34 51.2,123.34 51.69,122.85 54.34,122.85 54.6,123.11 54.6,124.17 54.75,124.32 v1(55.61,124.32) 56.16,124.87 58.6,124.87 58.77,124.7 59.63,124.7 ; 62.17,127.33 61.55,126.71 61.55,126.34 61.17,125.96 60.8,125.96 59.62,124.78 v1(59.62,124.7) ; 62.17,127.33 62.05,127.21 ; 62.17,127.33 63.21,127.33 63.58,126.96 65.65,126.96 66.44,126.17 ; 66.44,126.17 66.45,126.16 ; 66.44,126.17 67.67,126.17 70.95,129.44 ; 70.95,129.44 70.95,130.81 ; 70.95,129.44 70.95,130.74 v1(71.53,131.32) v1(71.53,132.24) ; 70.95,130.81 70.95,130.96 ; 70.95,130.81 71.8,131.66 72.76,131.66 ; 107.25,89.79 100.94,89.79 ; 107.25,89.79 107.1,89.79 ; 107.25,89.79 112.8,89.79 113.52,89.07 115.44,89.07 115.87,89.5 118.52,89.5 ; 118.52,89.5 118.55,89.5 ; 118.52,89.5 119.24,89.5 ; 119.24,89.5 119.69,89.95 119.69,91.11 119.78,91.2 121.33,91.2 122.01,90.52 ; 119.24,89.5 120.95,89.5 121.97,90.52 122.01,90.52 ; 122.01,90.52 122.2,90.33 126.02,90.33 126.46,90.77 130.05,90.77 ; 130.05,90.77 130.43,90.77 ; 130.05,90.77 131.15,90.77 131.15,90.82 135.07,94.74 135.31,94.74 137.25,96.68 137.25,96.89 ; 137.78,98.76 137.78,97.45 137.24,96.91 ; 137.78,98.76 137.79,98.77 ; 137.78,98.76 137.44,99.1 137.44,99.51 ; 83.27,151.68 86.85,155.26 90.36,155.26 91.89,153.73 91.89,151.59 93.87,149.61 114.34,149.61 117.49,152.76 121.06,152.76 121.68,152.14 122.98,152.14 124.04,151.08 125.28,151.08 126.56,152.36 v1(128.11,152.36) ; 51.62,84.11 46.49,84.11 45.67,84.93 ; 51.62,84.11 51.67,84.11 ; 51.62,84.11 52,83.73 52,82.41 52.17,82.24 53.14,82.24 ; 53.14,82.24 57.29,82.24 57.29,82.33 ; 53.14,82.24 53.1,82.2 44.97,82.2 ; 136.63,82.28 136.64,82.28 135.84,82.28 133.37,79.81 130.77,79.81 130.32,80.26 128.99,80.26 128.46,80.79 128.46,82.07 111.3,82.07 110.42,81.19 109.88,81.19 108.39,82.68 97.45,82.68 94.24,79.47 90.69,79.47 88.65,81.51 87.04,81.51 86.43,82.12 84.96,82.12 84.99,82.15 84.61,81.77 75.91,81.77 72.06,85.62 67.17,85.62 66.96,85.83 65.05,85.83 64.61,85.39 59.45,85.39 57.29,83.23 57.29,82.33 ; 137.44,99.51 136.87,100.08 v1(136.87,100.11) ; 137.44,99.51 v1(137.44,99.54) ; 37.8,11.37 34.69,11.37 ; 34.69,11.37 33.77,12.29 32.23,12.29 ; 34.69,11.37 33.97,12.09 v2(33.97,12.16) ; 32.07,12.13 29.8,12.13 ; 29.8,12.13 v2(29.45,11.78) ; 29.8,12.13 29.81,12.13 ; v2(29.45,11.78) 29.46,11.78 29.81,12.13 ; v2(29.45,11.78) v2(29.45,12.76) ; 106.14,13.11 106.08,13.05 98.95,13.05 97.82,14.18 95.58,14.18 ; 108.67,17.09 109.93,17.09 ; 109.93,17.09 111.73,17.09 113.13,18.49 114.19,18.49 115.39,17.29 117.27,17.29 118.07,18.09 118.07,20.02 120.09,22.04 v2(122.49,22.04) ; 109.93,17.09 109.93,16.56 109.72,16.35 ; 44.97,82.2 42.81,80.04 42.38,80.04 41.35,81.07 40.91,81.07 39.94,80.1 37.59,80.1 ; 44.97,82.2 44.6,82.2 43.9,82.9 40.42,82.9 39.62,82.1 34.98,82.1 34.15,82.93 34.15,82.95 34.18,82.98 ; 37.59,80.1 37.28,80.1 ; 37.59,80.1 36.24,80.1 35.89,80.45 32.71,80.45 32.2,80.96 32.2,81 ; 57.29,82.33 57.5,82.12 63.96,82.12 63.96,83.39 64.8,84.23 65.07,84.23 ; 40.64,148.06 39.34,149.37 37.52,149.37 ; 40.64,148.06 41.84,146.87 ; 40.64,148.06 43.14,148.06 45.23,150.16 48.03,150.16 ; v2(119.71,47.87) 119.71,47.49 v2(120.31,46.89) ; 106.88,114.68 105.72,114.68 ; 106.88,114.68 106.88,114.07 v1(106.95,114) ; 105.72,114.68 105.91,114.49 v1(105.91,113.93) ; v1(106.9,131.5) 106.9,131.58 106.89,131.59 ; 106.89,131.59 106.39,132.09 v1(106.42,132.06) ; 106.89,131.59 107.14,131.34 107.49,131.34 ; 31.18,89.22 29.99,89.22 ; 31.18,89.22 31.57,88.83 31.57,88.02 ; 31.18,89.22 v2(31.14,89.22) v2(32.45,89.22) 32.84,89.62 34.75,89.62 ; 29.99,89.22 29.99,87.41 30.12,87.28 30.12,85.87 v1(29.4,85.15) ; 31.57,88.02 31.56,88.01 ; 31.57,88.02 31.8,87.79 31.8,85.9 v1(31.26,85.36) ; 34.75,89.62 34.83,89.54 34.83,85.65 ; 34.75,89.62 v1(39.83,89.62) ; 34.83,85.65 34.11,84.93 ; 34.83,85.65 35.55,84.93 36.34,84.93 ; 29.81,12.13 30.58,12.13 v2(30.62,12.09) 32.03,12.09 ; 138.5,90.46 139.34,90.46 v1(139.37,90.49) v1(140.36,90.49) ; 54.8,87.82 55.03,87.82 56.38,89.17 59.43,89.17 59.66,88.94 64.42,88.94 64.6,89.12 73.29,89.12 78.57,83.84 87.32,83.84 92.6,89.12 99.23,89.12 v1(99.82,89.71) 100.9,89.71 ; 37.86,11.43 38.26,11.83 ; v1(107.3,126.38) 107.3,125.11 ; v1(69.64,151.87) v1(68.22,151.87) ; 32.22,80.98 32.22,81.12 ; 101.75,82.24 v1(102.47,82.24) 102.01,82.7 v1(101.29,82.7) 101.75,82.24